# KiCad board version0.65.kicad_pcb
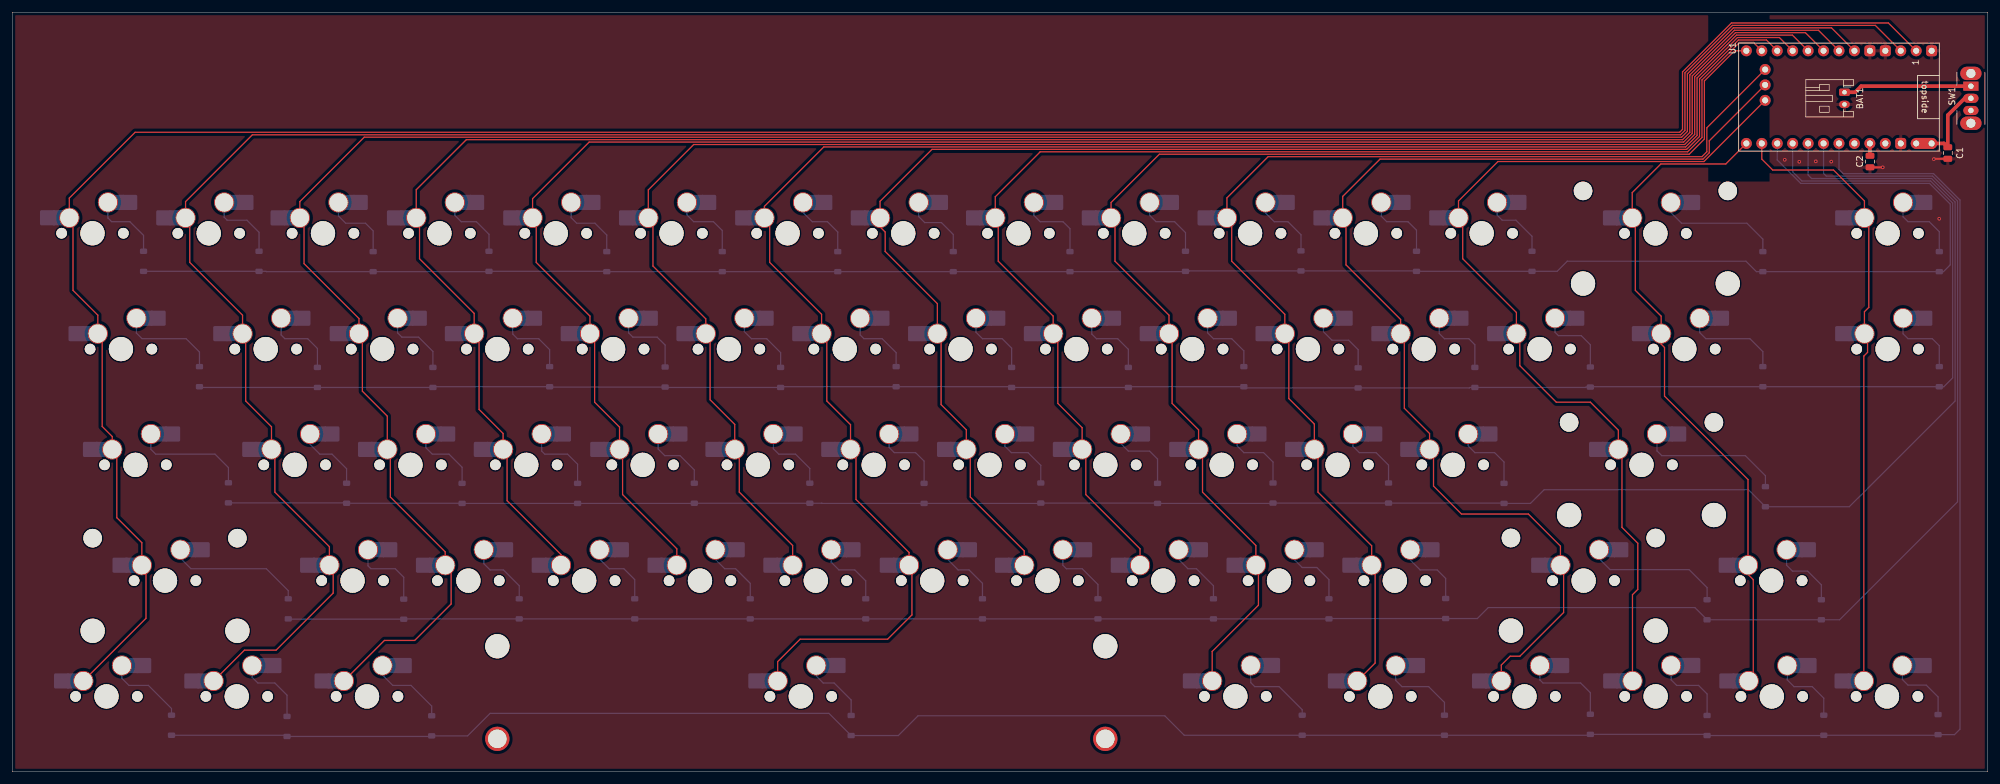
[diagram p0: board, top side]
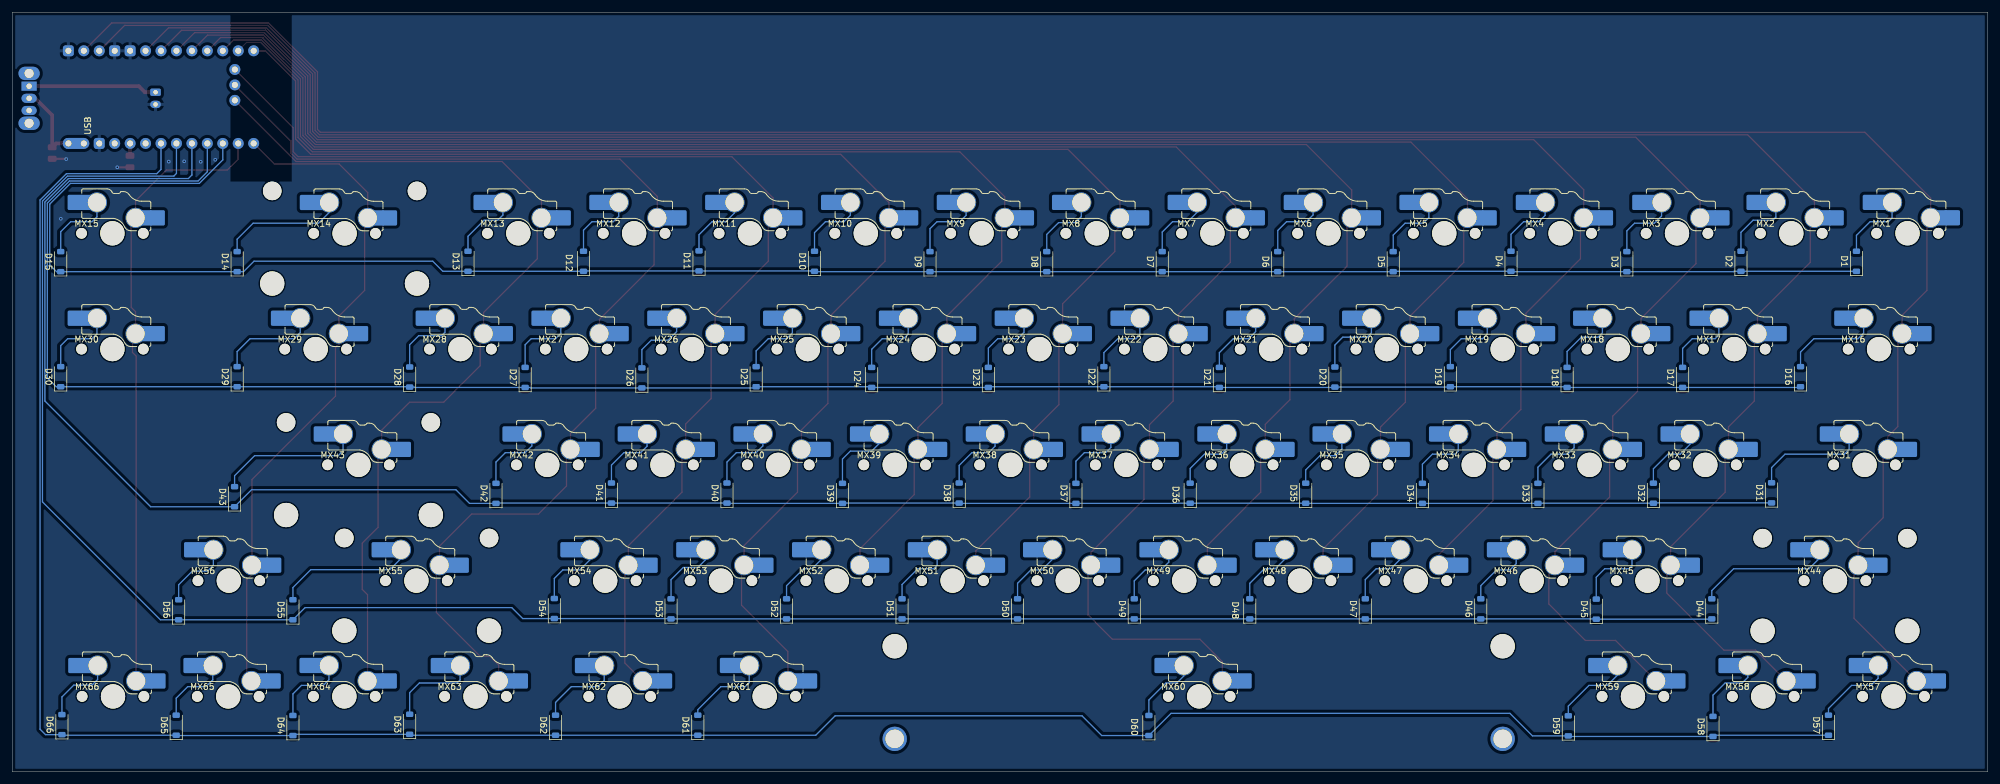
[diagram p1: board, bottom side, seen from below]

Outline 325 x 125 mm; copper layers: Top, Bottom. Coordinates in mm from the lower left corner of the outline.
Outline path: rectangle 0,125 325,0

## Placement (name value [footprint] x y rotation side)
BAT1  GND  [JST_PH_S2B-PH-K_1x02_P2.00mm_Horizontal]  301.41 111.82 270 top
C1  10uF  [C_0805_2012Metric]  318.41 101.82 90 top
C2  100nF  [C_0805_2012Metric]  305.61 100.42 90 top
D1  1N4148W  [D_SOD-123]  21.61 84.01 90 bottom
D2  1N4148W  [D_SOD-123]  40.61 84.01 90 bottom
D3  1N4148W  [D_SOD-123]  59.39 83.95 90 bottom
D4  1N4148W  [D_SOD-123]  78.44 84.01 90 bottom
D5  1N4148W  [D_SOD-123]  97.81 83.95 90 bottom
D6  1N4148W  [D_SOD-123]  116.81 83.95 90 bottom
D7  1N4148W  [D_SOD-123]  135.81 83.95 90 bottom
D8  1N4148W  [D_SOD-123]  154.81 83.95 90 bottom
D9  1N4148W  [D_SOD-123]  174.01 83.95 90 bottom
D10  1N4148W  [D_SOD-123]  193.01 84.01 90 bottom
D11  1N4148W  [D_SOD-123]  212.01 84.07 90 bottom
D12  1N4148W  [D_SOD-123]  231.01 84.01 90 bottom
D13  1N4148W  [D_SOD-123]  250.01 84.01 90 bottom
D14  1N4148W  [D_SOD-123]  287.99 83.95 90 bottom
D15  1N4148W  [D_SOD-123]  317.01 83.95 90 bottom
D16  1N4148W  [D_SOD-123]  30.81 65.02 90 bottom
D17  1N4148W  [D_SOD-123]  50.21 64.9 90 bottom
D18  1N4148W  [D_SOD-123]  69.21 64.9 90 bottom
D19  1N4148W  [D_SOD-123]  88.41 65.02 90 bottom
D20  1N4148W  [D_SOD-123]  107.41 64.96 90 bottom
D21  1N4148W  [D_SOD-123]  126.41 64.9 90 bottom
D22  1N4148W  [D_SOD-123]  145.41 65.02 90 bottom
D23  1N4148W  [D_SOD-123]  164.41 64.9 90 bottom
D24  1N4148W  [D_SOD-123]  183.61 64.9 90 bottom
D25  1N4148W  [D_SOD-123]  202.61 65.02 90 bottom
D26  1N4148W  [D_SOD-123]  221.41 64.82 90 bottom
D27  1N4148W  [D_SOD-123]  240.61 64.9 90 bottom
D28  1N4148W  [D_SOD-123]  259.61 64.96 90 bottom
D29  1N4148W  [D_SOD-123]  287.99 65.02 90 bottom
D30  1N4148W  [D_SOD-123]  317.01 65.02 90 bottom
D31  1N4148W  [D_SOD-123]  35.58 45.91 90 bottom
D32  1N4148W  [D_SOD-123]  55.01 45.85 90 bottom
D33  1N4148W  [D_SOD-123]  74.01 45.82 90 bottom
D34  1N4148W  [D_SOD-123]  93.01 45.82 90 bottom
D35  1N4148W  [D_SOD-123]  112.21 45.85 90 bottom
D36  1N4148W  [D_SOD-123]  131.21 45.85 90 bottom
D37  1N4148W  [D_SOD-123]  150.01 45.82 90 bottom
D38  1N4148W  [D_SOD-123]  169.21 45.87 90 bottom
D39  1N4148W  [D_SOD-123]  188.41 45.82 90 bottom
D40  1N4148W  [D_SOD-123]  207.41 45.87 90 bottom
D41  1N4148W  [D_SOD-123]  226.41 45.87 90 bottom
D42  1N4148W  [D_SOD-123]  245.41 45.82 90 bottom
D43  1N4148W  [D_SOD-123]  288.41 45.27 90 bottom
D44  1N4148W  [D_SOD-123]  45.41 26.82 90 bottom
D45  1N4148W  [D_SOD-123]  64.41 26.77 90 bottom
D46  1N4148W  [D_SOD-123]  83.41 26.82 90 bottom
D47  1N4148W  [D_SOD-123]  102.41 26.82 90 bottom
D48  1N4148W  [D_SOD-123]  121.41 26.82 90 bottom
D49  1N4148W  [D_SOD-123]  140.41 26.82 90 bottom
D50  1N4148W  [D_SOD-123]  159.61 26.82 90 bottom
D51  1N4148W  [D_SOD-123]  178.61 26.82 90 bottom
D52  1N4148W  [D_SOD-123]  197.61 26.82 90 bottom
D53  1N4148W  [D_SOD-123]  216.61 26.82 90 bottom
D54  1N4148W  [D_SOD-123]  235.81 26.87 90 bottom
D55  1N4148W  [D_SOD-123]  278.81 26.67 90 bottom
D56  1N4148W  [D_SOD-123]  297.61 26.67 90 bottom
D57  1N4148W  [D_SOD-123]  26.21 7.67 90 bottom
D58  1N4148W  [D_SOD-123]  45.21 7.47 90 bottom
D59  1N4148W  [D_SOD-123]  69.01 7.57 90 bottom
D60  1N4148W  [D_SOD-123]  138.01 7.62 90 bottom
D61  1N4148W  [D_SOD-123]  212.21 7.67 90 bottom
D62  1N4148W  [D_SOD-123]  235.61 7.67 90 bottom
D63  1N4148W  [D_SOD-123]  259.61 7.82 90 bottom
D64  1N4148W  [D_SOD-123]  278.81 7.62 90 bottom
D65  1N4148W  [D_SOD-123]  298.01 7.67 90 bottom
D66  1N4148W  [D_SOD-123]  316.81 7.77 90 bottom
MX1  MX_SW_HS  [SW_MX_HS_KS-2P02B01-01_1u]  13.21 88.62 180 bottom
MX2  MX_SW_HS  [SW_MX_HS_KS-2P02B01-01_1u]  32.33 88.61 180 bottom
MX3  MX_SW_HS  [SW_MX_HS_KS-2P02B01-01_1u]  51.13 88.61 180 bottom
MX4  MX_SW_HS  [SW_MX_HS_KS-2P02B01-01_1u]  70.28 88.61 180 bottom
MX5  MX_SW_HS  [SW_MX_HS_KS-2P02B01-01_1u]  89.42 88.61 180 bottom
MX6  MX_SW_HS  [SW_MX_HS_KS-2P02B01-01_1u]  108.46 88.61 180 bottom
MX7  MX_SW_HS  [SW_MX_HS_KS-2P02B01-01_1u]  127.56 88.62 180 bottom
MX8  MX_SW_HS  [SW_MX_HS_KS-2P02B01-01_1u]  146.59 88.61 180 bottom
MX9  MX_SW_HS  [SW_MX_HS_KS-2P02B01-01_1u]  165.53 88.61 180 bottom
MX10  MX_SW_HS  [SW_MX_HS_KS-2P02B01-01_1u]  184.58 88.61 180 bottom
MX11  MX_SW_HS  [SW_MX_HS_KS-2P02B01-01_1u]  203.63 88.61 180 bottom
MX12  MX_SW_HS  [SW_MX_HS_KS-2P02B01-01_1u]  222.68 88.61 180 bottom
MX13  MX_SW_HS  [SW_MX_HS_KS-2P02B01-01_1u]  241.73 88.61 180 bottom
MX14  MX_SW_HS  [SW_MX_HS_KS-2P02B01-01_1u]  270.31 88.6 180 bottom
MX15  MX_SW_HS  [SW_MX_HS_KS-2P02B01-01_1u]  308.51 88.61 180 bottom
MX16  MX_SW_HS  [SW_MX_HS_KS-2P02B01-01_1.5u]  17.9 69.56 180 bottom
MX17  MX_SW_HS  [SW_MX_HS_KS-2P02B01-01_1u]  41.71 69.56 180 bottom
MX18  MX_SW_HS  [SW_MX_HS_KS-2P02B01-01_1u]  60.86 69.56 180 bottom
MX19  MX_SW_HS  [SW_MX_HS_KS-2P02B01-01_1u]  79.81 69.56 180 bottom
MX20  MX_SW_HS  [SW_MX_HS_KS-2P02B01-01_1u]  98.86 69.56 180 bottom
MX21  MX_SW_HS  [SW_MX_HS_KS-2P02B01-01_1u]  117.91 69.56 180 bottom
MX22  MX_SW_HS  [SW_MX_HS_KS-2P02B01-01_1u]  136.96 69.56 180 bottom
MX23  MX_SW_HS  [SW_MX_HS_KS-2P02B01-01_1u]  156.01 69.56 180 bottom
MX24  MX_SW_HS  [SW_MX_HS_KS-2P02B01-01_1u]  175.06 69.56 180 bottom
MX25  MX_SW_HS  [SW_MX_HS_KS-2P02B01-01_1u]  194.11 69.56 180 bottom
MX26  MX_SW_HS  [SW_MX_HS_KS-2P02B01-01_1u]  213.16 69.56 180 bottom
MX27  MX_SW_HS  [SW_MX_HS_KS-2P02B01-01_1u]  232.21 69.56 180 bottom
MX28  MX_SW_HS  [SW_MX_HS_KS-2P02B01-01_1u]  251.26 69.56 180 bottom
MX29  MX_SW_HS  [SW_MX_HS_KS-2P02B01-01_1.5u]  275.07 69.56 180 bottom
MX30  MX_SW_HS  [SW_MX_HS_KS-2P02B01-01_1u]  308.51 69.56 180 bottom
MX31  MX_SW_HS  [SW_MX_HS_KS-2P02B01-01_1.75u]  20.28 50.51 180 bottom
MX32  MX_SW_HS  [SW_MX_HS_KS-2P02B01-01_1u]  46.47 50.51 180 bottom
MX33  MX_SW_HS  [SW_MX_HS_KS-2P02B01-01_1u]  65.52 50.51 180 bottom
MX34  MX_SW_HS  [SW_MX_HS_KS-2P02B01-01_1u]  84.57 50.51 180 bottom
MX35  MX_SW_HS  [SW_MX_HS_KS-2P02B01-01_1u]  103.72 50.51 180 bottom
MX36  MX_SW_HS  [SW_MX_HS_KS-2P02B01-01_1u]  122.67 50.51 180 bottom
MX37  MX_SW_HS  [SW_MX_HS_KS-2P02B01-01_1u]  141.72 50.51 180 bottom
MX38  MX_SW_HS  [SW_MX_HS_KS-2P02B01-01_1u]  160.77 50.51 180 bottom
MX39  MX_SW_HS  [SW_MX_HS_KS-2P02B01-01_1u]  179.82 50.51 180 bottom
MX40  MX_SW_HS  [SW_MX_HS_KS-2P02B01-01_1u]  198.97 50.51 180 bottom
MX41  MX_SW_HS  [SW_MX_HS_KS-2P02B01-01_1u]  218.02 50.51 180 bottom
MX42  MX_SW_HS  [SW_MX_HS_KS-2P02B01-01_1u]  236.97 50.51 180 bottom
MX43  MX_SW_HS  [SW_MX_HS_KS-2P02B01-01_1u]  268.03 50.51 180 bottom
MX44  MX_SW_HS  [SW_MX_HS_KS-2P02B01-01_1u]  25.14 31.46 180 bottom
MX45  MX_SW_HS  [SW_MX_HS_KS-2P02B01-01_1u]  56 31.46 180 bottom
MX46  MX_SW_HS  [SW_MX_HS_KS-2P02B01-01_1u]  75.05 31.46 180 bottom
MX47  MX_SW_HS  [SW_MX_HS_KS-2P02B01-01_1u]  94.1 31.46 180 bottom
MX48  MX_SW_HS  [SW_MX_HS_KS-2P02B01-01_1u]  113.15 31.46 180 bottom
MX49  MX_SW_HS  [SW_MX_HS_KS-2P02B01-01_1u]  132.2 31.46 180 bottom
MX50  MX_SW_HS  [SW_MX_HS_KS-2P02B01-01_1u]  151.35 31.46 180 bottom
MX51  MX_SW_HS  [SW_MX_HS_KS-2P02B01-01_1u]  170.3 31.46 180 bottom
MX52  MX_SW_HS  [SW_MX_HS_KS-2P02B01-01_1u]  189.35 31.46 180 bottom
MX53  MX_SW_HS  [SW_MX_HS_KS-2P02B01-01_1u]  208.4 31.46 180 bottom
MX54  MX_SW_HS  [SW_MX_HS_KS-2P02B01-01_1u]  227.45 31.46 180 bottom
MX55  MX_SW_HS  [SW_MX_HS_KS-2P02B01-01_1u]  258.5 31.46 180 bottom
MX56  MX_SW_HS  [SW_MX_HS_KS-2P02B01-01_1u]  289.36 31.46 180 bottom
MX57  MX_SW_HS  [SW_MX_HS_KS-2P02B01-01_1.25u]  15.52 12.41 180 bottom
MX58  MX_SW_HS  [SW_MX_HS_KS-2P02B01-01_1u]  36.95 12.41 180 bottom
MX59  MX_SW_HS  [SW_MX_HS_KS-2P02B01-01_1.25u]  58.38 12.41 180 bottom
MX60  MX_SW_HS  [SW_MX_HS_KS-2P02B01-01_1u]  129.73 12.42 180 bottom
MX61  MX_SW_HS  [SW_MX_HS_KS-2P02B01-01_1.25u]  201.21 12.42 180 bottom
MX62  MX_SW_HS  [SW_MX_HS_KS-2P02B01-01_1.25u]  225.07 12.41 180 bottom
MX63  MX_SW_HS  [SW_MX_HS_KS-2P02B01-01_1.25u]  248.78 12.41 180 bottom
MX64  MX_SW_HS  [SW_MX_HS_KS-2P02B01-01_1u]  270.35 12.42 180 bottom
MX65  MX_SW_HS  [SW_MX_HS_KS-2P02B01-01_1u]  289.46 12.41 180 bottom
MX66  MX_SW_HS  [SW_MX_HS_KS-2P02B01-01_1u]  308.41 12.41 180 bottom
S1  Space  [STAB_MX_P_6.25u]  129.82 12.41 0 bottom
S2  Backspace  [STAB_MX_2u]  270.31 88.6 0 top
S3  Enter  [STAB_MX_2.25u]  268.03 50.51 0 top
S4  Shift  [STAB_MX_2.25u]  25.14 31.46 0 top
S5  Shift  [STAB_MX_2.25u]  258.45 31.49 0 top
SW1  SW_SPDT  [SW_Slide_SPDT_Angled_CK_OS102011MA1Q]  322.21 112.82 270 top
U1  SuperMini nRF52840  [SuperMini_nRF52840_AH_USBup]  299.24 111.02 270 top

## Library data of the parts
BAT1 = -: Description: Generic connector, single row, 01x02, script generated; KiLib_Generator: connector/JST; ki_fp_filters: Connector*:*_1x??_*
C1 C2 = -: Description: Unpolarized capacitor; KiLib_Generator: SMD_2terminal_chip_molded; ki_fp_filters: C_*
D1-D66 = -: Datasheet: https://www.vishay.com/docs/85748/1n4148w.pdf; Description: 75V 0.15A Fast Switching Diode, SOD-123; Sim.Device: D; Sim.Pins: 1=K 2=A; ki_fp_filters: D*SOD?123*
MX1-MX66 = -: Description: Push button switch, normally open, two pins, 45° tilted, Gateron KS-2P02B01-01 for Cherry MX style switches
S1-S5 = -: Description: Cherry MX-style stabilizer
SW1 = -: Description: Switch, single pole double throw
U1 = -: Datasheet: https://wiki.icbbuy.com/doku.php?id=developmentboard:nrf52840; Description: Symbol for an nicekeyboards nice!nano

## Footprints (pads in the part's own frame, mm; a bottom-side part is the same pattern mirrored in y, then rotated)
C_0805_2012Metric
  rrect 1x1.45 smd: 1(-0.95,0) 2(0.95,0)
D_SOD-123
  rrect 0.9x1.2 smd: 1(-1.65,0) 2(1.65,0)
JST_PH_S2B-PH-K_1x02_P2.00mm_Horizontal
  rrect 1.2x1.75 hole 0.75: 1(0,0)
  oval 1.2x1.75 hole 0.75: 2(2,0)
STAB_MX_2.25u
  round 3.048 hole 3.048 unplated: (-11.906,6.985) (11.906,6.985)
  round 3.988 hole 3.988 unplated: (-11.906,-8.255) (11.906,-8.255)
STAB_MX_2u
  round 3.048 hole 3.048 unplated: (-11.906,6.985) (11.906,6.985)
  round 3.988 hole 3.988 unplated: (-11.906,-8.255) (11.906,-8.255)
STAB_MX_P_6.25u
  round 3.988 hole 3.988 unplated: (-50.006,-8.255) (50.006,-8.255)
  round 4 hole 3.048: (-50.006,6.985) (50.006,6.985)
SuperMini_nRF52840_AH_USBup
  round 1.8 hole 1: 1(-7.62,13.97) 2(-7.62,11.43) 5(-7.62,3.81) 6(-7.62,1.27) 7(-7.62,-1.27) 8(-7.62,-3.81) 9(-7.62,-6.35) 10(-7.62,-8.89) 11(-7.62,-11.43) 12(-7.62,-13.97) 15(7.62,8.89) 16(7.62,6.35) 17(7.62,3.81) 18(7.62,1.27) 19(7.62,-1.27) 20(7.62,-3.81) 21(7.62,-6.35) 22(7.62,-8.89) 23(7.62,-11.43) 24(7.62,-13.97) 25(-4.547,-10.876) 26(-2.007,-10.876) 27(0.533,-10.876) 29(7.62,16.51)
  rrect 1.8x1.8 hole 1: 3(-7.62,8.89) 4(-7.62,6.35) 14(7.62,11.43) 28(-7.62,16.51)
  oval 1.8x4.34 hole 1: 13(7.62,13.97)
SW_MX_HS_KS-2P02B01-01_1.5u
  round 1.75 hole 1.75 unplated: (-5.08,0) (5.08,0)
  round 3.988 hole 3.988 unplated: (0,0)
  round 3.3 hole 3: 1(3.81,2.54) 2(-2.54,5.08)
  rect 1.65x2.5 smd: 1(5.635,2.54) 2(-4.34,5.08)
  rrect 2.55x2.5 smd: 1(7.36,2.54) 2(-6.09,5.08)
SW_MX_HS_KS-2P02B01-01_1.25u
  round 1.75 hole 1.75 unplated: (-5.08,0) (5.08,0)
  round 3.988 hole 3.988 unplated: (0,0)
  round 3.3 hole 3: 1(3.81,2.54) 2(-2.54,5.08)
  rect 1.65x2.5 smd: 1(5.635,2.54) 2(-4.34,5.08)
  rrect 2.55x2.5 smd: 1(7.36,2.54) 2(-6.09,5.08)
SW_MX_HS_KS-2P02B01-01_1.75u
  round 1.75 hole 1.75 unplated: (-5.08,0) (5.08,0)
  round 3.988 hole 3.988 unplated: (0,0)
  round 3.3 hole 3: 1(3.81,2.54) 2(-2.54,5.08)
  rect 1.65x2.5 smd: 1(5.635,2.54) 2(-4.34,5.08)
  rrect 2.55x2.5 smd: 1(7.36,2.54) 2(-6.09,5.08)
SW_MX_HS_KS-2P02B01-01_1u
  round 1.75 hole 1.75 unplated: (-5.08,0) (5.08,0)
  round 3.988 hole 3.988 unplated: (0,0)
  round 3.3 hole 3: 1(3.81,2.54) 2(-2.54,5.08)
  rect 1.65x2.5 smd: 1(5.635,2.54) 2(-4.34,5.08)
  rrect 2.55x2.5 smd: 1(7.36,2.54) 2(-6.09,5.08)
SW_Slide_SPDT_Angled_CK_OS102011MA1Q
  oval 2.2x3.5 hole 1.5: (-2.1,0) (6.1,0)
  rect 1.5x2.5 hole 0.9: 1(0,0)
  oval 1.5x2.5 hole 0.9: 2(2,0) 3(4,0)

## Nets
/VBAT_SW: C1.2 SW1.2 U1.13 U1.29
GND: BAT1.2 C1.1 C2.1 U1.3 U1.4 U1.14 U1.28
+BATT: BAT1.1 SW1.1
COL0: MX1.1 MX16.1 MX31.1 MX44.1 MX57.1 U1.1
COL1: MX2.1 MX17.1 MX32.1 MX45.1 MX58.1 U1.2
COL2: MX3.1 MX18.1 MX33.1 MX46.1 MX59.1 U1.5
COL3: MX4.1 MX19.1 MX34.1 MX47.1 U1.6
COL4: MX5.1 MX20.1 MX35.1 MX48.1 U1.7
COL5: MX6.1 MX21.1 MX36.1 MX49.1 U1.8
COL6: MX7.1 MX22.1 MX37.1 MX50.1 MX60.1 U1.9
COL7: MX8.1 MX23.1 MX38.1 MX51.1 U1.10
COL8: MX9.1 MX24.1 MX39.1 MX52.1 U1.11
COL9: MX10.1 MX25.1 MX40.1 MX53.1 MX61.1 U1.12
COL10: MX11.1 MX26.1 MX41.1 MX54.1 MX62.1 U1.25
COL11: MX12.1 MX27.1 MX42.1 MX55.1 MX63.1 U1.26
COL12: MX13.1 MX28.1 MX43.1 MX64.1 U1.27
COL13: MX14.1 MX29.1 MX56.1 MX65.1 U1.24
COL14: MX15.1 MX30.1 MX66.1 U1.23
ROW0: D1.1 D2.1 D3.1 D4.1 D5.1 D6.1 D7.1 D8.1 D9.1 D10.1 D11.1 D12.1 D13.1 D14.1 D15.1 U1.22
ROW1: D16.1 D17.1 D18.1 D19.1 D20.1 D21.1 D22.1 D23.1 D24.1 D25.1 D26.1 D27.1 D28.1 D29.1 D30.1 U1.21
ROW2: D31.1 D32.1 D33.1 D34.1 D35.1 D36.1 D37.1 D38.1 D39.1 D40.1 D41.1 D42.1 D43.1 U1.20
ROW3: D44.1 D45.1 D46.1 D47.1 D48.1 D49.1 D50.1 D51.1 D52.1 D53.1 D54.1 D55.1 D56.1 U1.19
ROW4: D57.1 D58.1 D59.1 D60.1 D61.1 D62.1 D63.1 D64.1 D65.1 D66.1 U1.18
Net-(D1-A): D1.2 MX1.2
Net-(D2-A): D2.2 MX2.2
Net-(D3-A): D3.2 MX3.2
Net-(D4-A): D4.2 MX4.2
Net-(D5-A): D5.2 MX5.2
Net-(D6-A): D6.2 MX6.2
Net-(D7-A): D7.2 MX7.2
Net-(D8-A): D8.2 MX8.2
Net-(D9-A): D9.2 MX9.2
Net-(D10-A): D10.2 MX10.2
Net-(D11-A): D11.2 MX11.2
Net-(D12-A): D12.2 MX12.2
Net-(D13-A): D13.2 MX13.2
Net-(D14-A): D14.2 MX14.2
Net-(D15-A): D15.2 MX15.2
Net-(D16-A): D16.2 MX16.2
Net-(D17-A): D17.2 MX17.2
Net-(D18-A): D18.2 MX18.2
Net-(D19-A): D19.2 MX19.2
Net-(D20-A): D20.2 MX20.2
Net-(D21-A): D21.2 MX21.2
Net-(D22-A): D22.2 MX22.2
Net-(D23-A): D23.2 MX23.2
Net-(D24-A): D24.2 MX24.2
Net-(D25-A): D25.2 MX25.2
Net-(D26-A): D26.2 MX26.2
Net-(D27-A): D27.2 MX27.2
Net-(D28-A): D28.2 MX28.2
Net-(D29-A): D29.2 MX29.2
Net-(D30-A): D30.2 MX30.2
Net-(D31-A): D31.2 MX31.2
Net-(D32-A): D32.2 MX32.2
Net-(D33-A): D33.2 MX33.2
Net-(D34-A): D34.2 MX34.2
Net-(D35-A): D35.2 MX35.2
Net-(D36-A): D36.2 MX36.2
Net-(D37-A): D37.2 MX37.2
Net-(D38-A): D38.2 MX38.2
Net-(D39-A): D39.2 MX39.2
Net-(D40-A): D40.2 MX40.2
Net-(D41-A): D41.2 MX41.2
Net-(D42-A): D42.2 MX42.2
Net-(D43-A): D43.2 MX43.2
Net-(D44-A): D44.2 MX44.2
Net-(D45-A): D45.2 MX45.2
Net-(D46-A): D46.2 MX46.2
Net-(D47-A): D47.2 MX47.2
Net-(D48-A): D48.2 MX48.2
Net-(D49-A): D49.2 MX49.2
Net-(D50-A): D50.2 MX50.2
Net-(D51-A): D51.2 MX51.2
Net-(D52-A): D52.2 MX52.2
Net-(D53-A): D53.2 MX53.2
Net-(D54-A): D54.2 MX54.2
Net-(D55-A): D55.2 MX55.2
Net-(D56-A): D56.2 MX56.2
Net-(D57-A): D57.2 MX57.2
Net-(D58-A): D58.2 MX58.2
Net-(D59-A): D59.2 MX59.2
Net-(D60-A): D60.2 MX60.2
Net-(D61-A): D61.2 MX61.2
Net-(D62-A): D62.2 MX62.2
Net-(D63-A): D63.2 MX63.2
Net-(D64-A): D64.2 MX64.2
Net-(D65-A): D65.2 MX65.2
Net-(D66-A): D66.2 MX66.2
Net-(U1-3V3): C2.2 U1.16

Pads without a net: SW1 3; U1 15 17

## Via types
v1: diameter 0.6, hole 0.3, Top to Bottom, 7 vias

## Routing (per net, layer and track width the routed paths; a pad name or vN(x,y) marks a point on that pad's centre or on a via; arc(x,y) is an arc through that point)
/VBAT_SW: length 15.7
  Top w0.6: U1.13 U1.29 317.78,103.4 C1.2 318.41,108.04 321.19,110.82 SW1.2
GND: length 4.4
  Top w0.2: 316.16,100.87 v1(316.11,100.82)
  Top w0.35: C1.1 316.16,100.87 ; C2.1 v1(307.71,99.47)
  vias: v1(291.59,100.71) v1(293.98,100.38) v1(296.7,100.46) v1(299.24,100.4) v1(316.99,91.01)
+BATT: length 21.2
  Top w0.6: SW1.1 304.16,112.82 303.16,111.82 BAT1.1
COL0: length 412.1
  Top w0.2: U1.1 308.63,123.22 282.82,123.22 274.77,115.18 274.77,105.71 274.3,105.23 20.23,105.23 9.4,94.41 MX1.1 10.01,90.55 10.01,79.22 14.09,75.15 MX16.1 14.81,71.38 14.81,56.82 16.47,55.17 MX31.1 17.21,52.31 17.21,41.82 21.33,37.7 MX44.1 22.01,33.32 22.01,25.26 MX57.1
COL1: length 401.6
  Top w0.2: U1.2 306.49,122.82 282.98,122.82 275.17,115.01 275.17,105.54 274.45,104.82 39.51,104.82 28.52,93.83 MX2.1 29.21,90.46 29.21,83.82 37.9,75.14 MX17.1 38.41,71.59 38.41,61.02 42.66,56.77 MX32.1 43.21,52.5 43.21,46.02 52.19,37.05 MX45.1 52.81,33.38 52.81,29.42 43.41,20.02 38.21,20.02 MX58.1
COL2: length 374.1
  Top w0.2: U1.5 299.27,122.42 283.15,122.42 275.57,114.85 275.57,105.38 274.62,104.42 57.91,104.42 47.32,93.83 MX3.1 48.01,90.46 48.01,83.62 57.05,74.58 MX18.1 57.61,71.54 57.61,62.62 61.71,58.52 MX33.1 62.21,52.55 62.21,45.22 71.24,36.2 MX46.1 72.21,33.03 72.21,27.62 66.21,21.62 61.24,21.62 MX59.1
COL3: length 323.5
  Top w0.2: U1.6 297.13,122.02 283.32,122.02 275.97,114.68 275.97,105.21 274.78,104.02 74.71,104.02 66.47,95.78 MX4.1 67.01,90.61 67.01,84.42 76,75.44 MX19.1 76.81,71.29 76.81,59.62 80.76,55.67 MX34.1 81.41,52.4 81.41,44.62 90.29,35.75 MX47.1
COL4: length 300.6
  Top w0.2: MX48.1 109.34,36.7 100.41,45.62 100.41,52.55 MX35.1 99.91,56.72 95.81,60.82 95.81,71.34 MX20.1 95.05,74.99 86.21,83.82 86.21,90.55 MX5.1 85.61,94.32 94.91,103.62 274.95,103.62 276.37,105.05 276.37,114.51 283.48,121.62 294.99,121.62 U1.7
COL5: length 279.5
  Top w0.2: MX49.1 128.39,37.25 119.61,46.02 119.61,52.3 MX36.1 118.86,57.17 114.81,61.22 114.81,71.39 MX21.1 114.1,74.54 105.41,83.22 105.41,90.39 MX6.1 104.65,95.76 112.11,103.22 275.12,103.22 276.77,104.88 276.77,114.35 283.65,121.22 292.85,121.22 U1.8
COL6: length 292.8
  Top w0.2: MX60.1 125.92,18.13 129.61,21.82 144.01,21.82 148.01,25.82 148.01,33.53 MX50.1 147.54,36.1 138.81,44.82 138.81,52.15 MX37.1 137.91,57.12 134.01,61.02 134.01,71.24 MX22.1 133.15,75.29 124.61,83.82 124.61,90.29 MX7.1 123.75,93.06 133.51,102.82 275.28,102.82 277.17,104.71 277.17,114.18 283.81,120.82 290.71,120.82 U1.9
COL7: length 234.6
  Top w0.2: U1.10 288.57,120.42 283.98,120.42 277.57,114.01 277.57,104.55 275.45,102.42 151.31,102.42 142.78,93.88 MX8.1 142.78,89.66 143.61,88.82 143.61,85.62 152.2,77.04 MX23.1 152.81,71.49 152.81,60.42 156.96,56.27 MX38.1 157.61,52.4 157.61,45.22 166.49,36.35 MX51.1
COL8: length 213.2
  Top w0.2: U1.11 286.43,120.02 284.15,120.02 277.97,113.85 277.97,104.38 275.61,102.02 169.11,102.02 161.72,94.63 MX9.1 162.21,90.66 162.21,84.02 171.25,74.99 MX24.1 172.01,71.34 172.01,60.62 176.01,56.62 176.01,56.62 MX39.1 176.61,52.45 176.61,45.62 185.54,36.7 MX52.1
COL9: length 212.4
  Top w0.2: U1.12 283.33,118.64 278.37,113.68 278.37,104.12 275.87,101.62 188.71,101.62 180.77,93.68 MX10.1 181.41,90.51 181.41,84.02 190.3,75.14 MX25.1 190.81,71.59 190.81,60.62 195.16,56.27 MX40.1 195.81,52.4 195.81,46.02 204.59,37.25 MX53.1 205.01,33.58 205.01,27.42 197.4,19.81 MX61.1
COL10: length 190.4
  Top w0.2: U1.25 278.77,105.98 278.77,102.03 277.97,101.22 206.61,101.22 199.82,94.43 MX11.1 200.61,90.36 200.61,84.02 209.35,75.29 MX26.1 210.01,71.44 210.01,61.42 214.21,57.22 MX41.1 214.81,52.45 214.81,46.02 223.64,37.2 MX54.1 224.21,33.43 224.21,17.91 MX62.1
COL11: length 184.7
  Top w0.2: MX63.1 244.97,17.58 246.41,19.02 248.01,19.02 255.21,26.22 255.21,33.48 MX55.1 254.69,37.14 249.41,42.42 238.41,42.42 233.81,47.02 233.81,52.4 MX42.1 233.16,55.67 229.01,59.82 229.01,71.49 MX27.1 228.4,74.44 219.41,83.42 219.41,90.61 MX12.1 218.87,94.68 225.01,100.82 278.13,100.82 279.17,101.86 279.17,103.84 U1.26
COL12: length 152.1
  Top w0.2: MX64.1 266.54,29.15 267.41,30.02 267.41,37.62 264.81,40.22 264.81,52.46 MX43.1 264.22,56.22 259.61,60.82 254.01,60.82 248.01,66.82 248.01,71.54 MX28.1 247.45,75.59 238.61,84.42 238.61,90.46 MX13.1 237.92,93.93 244.41,100.42 278.3,100.42 U1.27
COL13: length 111
  Top w0.2: U1.24 281.89,100.02 271.21,100.02 266.5,95.31 MX14.1 267.01,90.63 267.01,79.22 271.26,74.97 MX29.1 271.26,70.37 271.81,69.82 271.81,61.82 285.55,48.09 MX56.1 285.55,32.49 286.41,31.62 286.41,15.72 MX65.1
COL14: length 102.4
  Top w0.2: U1.23 287.81,100.82 289.61,99.02 299.61,99.02 304.7,93.93 MX15.1 305.41,90.44 305.41,76.42 304.7,75.71 MX30.1 305.21,71.59 305.21,69.02 304.6,68.41 MX66.1
ROW0: length 343.4
  Bottom w0.2: D1.1 D2.1 41.75,82.36 41.81,82.3 78.38,82.3 D4.1 97.75,82.36 97.81,82.3 192.95,82.3 D10.1 193.55,82.36 193.61,82.42 D11.1 230.95,82.42 D12.1 D13.1 254.15,82.36 255.81,84.02 285.21,84.02 286.94,82.3 317.69,82.3 318.81,83.42 318.81,93.42 315.41,96.82 294.21,96.82 290.35,100.68 U1.22
ROW1: length 351.4
  Bottom w0.2: D16.1 30.94,63.25 D17.1 D18.1 69.34,63.37 D19.1 88.48,63.31 D20.1 107.48,63.25 D21.1 126.54,63.37 D22.1 164.29,63.37 D23.1 D24.1 183.74,63.37 D25.1 202.81,63.17 D26.1 239.71,63.17 239.79,63.25 D27.1 258.84,63.25 258.9,63.31 D28.1 259.68,63.37 D29.1 D30.1 317.76,63.37 319.21,64.82 319.21,93.59 315.58,97.22 294.41,97.22 292.89,98.74 U1.21
ROW2: length 357.4
  Bottom w0.2: U1.20 295.43,98.2 296.01,97.62 315.74,97.62 319.61,93.75 319.61,61.02 302.21,43.62 D43.1 285.61,46.42 252.01,46.42 249.76,44.17 D42.1 245.36,44.22 D41.1 D40.1 207.36,44.17 D39.1 188.36,44.22 D38.1 169.16,44.17 D37.1 133.21,44.17 133.19,44.2 112.21,44.2 112.19,44.17 D34.1 D33.1 73.99,44.2 55.01,44.2 54.95,44.26 D31.1
ROW3: length 362.6
  Bottom w0.2: D44.1 45.46,25.12 D45.1 64.46,25.17 D46.1 D47.1 D48.1 D49.1 D50.1 D51.1 D52.1 D53.1 216.66,25.22 D54.1 241.01,25.22 242.81,27.02 276.81,27.02 D55.1 D56.1 300.61,25.02 320.01,44.42 320.01,93.92 315.91,98.02 298.41,98.02 297.97,98.46 U1.19
ROW4: length 413.9
  Bottom w0.2: U1.18 300.51,99.12 301.21,98.42 316.08,98.42 320.41,94.08 320.41,7.02 319.51,6.12 D66.1 316.71,6.02 D65.1 297.96,5.97 D64.1 278.61,6.17 D63.1 259.46,6.02 D62.1 D61.1 192.81,6.02 189.61,9.22 149.01,9.22 145.76,5.97 D60.1 134.36,9.62 78.61,9.62 74.91,5.92 D59.1 68.91,5.82 D58.1 45.01,6.02 D57.1
Net-(D1-A): length 12.2
  Bottom w0.2: MX1.2 15.75,91.13 16.36,90.52 19.36,90.52 21.61,88.27 D1.2
Net-(D2-A): length 12.3
  Bottom w0.2: D2.2 40.61,88.77 38.61,90.77 35.36,90.77 34.87,91.26 MX2.2
Net-(D3-A): length 12.4
  Bottom w0.2: D3.2 59.39,89 58.11,90.27 54.86,90.27 53.67,91.46 MX3.2
Net-(D4-A): length 11.8
  Bottom w0.2: MX4.2 72.82,91.56 73.86,90.52 76.36,90.52 78.44,88.45 D4.2
Net-(D5-A): length 12.3
  Bottom w0.2: D5.2 97.81,88.32 95.86,90.27 92.86,90.27 91.96,91.18 MX5.2
Net-(D6-A): length 12.4
  Bottom w0.2: D6.2 116.81,89.07 115.36,90.52 112.11,90.52 111,91.64 MX6.2
Net-(D7-A): length 11.9
  Bottom w0.2: MX7.2 130.1,92.04 131.61,90.52 134.11,90.52 135.81,88.82 D7.2
Net-(D8-A): length 12.1
  Bottom w0.2: D8.2 154.81,88.42 152.86,90.37 150.11,90.37 149.13,91.36 MX8.2
Net-(D9-A): length 12.8
  Bottom w0.2: D9.2 174.01,89.37 172.86,90.52 169.11,90.52 168.07,91.56 MX9.2
Net-(D10-A): length 12.3
  Bottom w0.2: D10.2 193.01,88.72 191.21,90.52 188.16,90.52 187.12,91.56 MX10.2
Net-(D11-A): length 11.7
  Bottom w0.2: MX11.2 206.17,91.96 207.61,90.52 209.86,90.52 212.01,88.37 D11.2
Net-(D12-A): length 12.5
  Bottom w0.2: D12.2 231.01,89.12 229.61,90.52 226.11,90.52 225.22,91.41 MX12.2
Net-(D13-A): length 11.7
  Bottom w0.2: MX13.2 244.27,91.61 245.11,90.77 247.36,90.77 250.01,88.12 D13.2
Net-(D14-A): length 20.7
  Bottom w0.2: D14.2 287.99,87.65 285.36,90.27 274.61,90.27 272.85,92.03 MX14.2
Net-(D15-A): length 12.6
  Bottom w0.2: D15.2 317.01,88.87 315.36,90.52 311.86,90.52 311.05,91.33 MX15.2
Net-(D16-A): length 16.5
  Bottom w0.2: D16.2 30.81,69.07 28.61,71.27 21.36,71.27 20.44,72.2 MX16.2
Net-(D17-A): length 12.8
  Bottom w0.2: MX17.2 44.25,71.89 44.86,71.27 48.61,71.27 50.21,69.67 D17.2
Net-(D18-A): length 12.1
  Bottom w0.2: D18.2 69.21,69.17 66.86,71.52 64.11,71.52 63.4,72.23 MX18.2
Net-(D19-A): length 12.5
  Bottom w0.2: MX19.2 82.35,72.04 83.11,71.27 86.61,71.27 88.41,69.47 D19.2
Net-(D20-A): length 12.9
  Bottom w0.2: MX20.2 101.4,72.24 102.11,71.52 106.11,71.52 107.41,70.22 D20.2
Net-(D21-A): length 12
  Bottom w0.2: MX21.2 120.45,72.44 121.61,71.27 124.11,71.27 126.41,68.97 D21.2
Net-(D22-A): length 12.2
  Bottom w0.2: MX22.2 139.5,71.89 140.11,71.27 143.11,71.27 145.41,68.97 D22.2
Net-(D23-A): length 12.4
  Bottom w0.2: D23.2 164.41,69.72 162.86,71.27 159.61,71.27 158.55,72.34 MX23.2
Net-(D24-A): length 12.6
  Bottom w0.2: D24.2 183.61,69.52 181.86,71.27 178.36,71.27 177.6,72.04 MX24.2
Net-(D25-A): length 12.2
  Bottom w0.2: MX25.2 196.65,72.24 197.61,71.27 200.61,71.27 202.61,69.27 D25.2
Net-(D26-A): length 12.1
  Bottom w0.2: D26.2 221.41,69.47 219.86,71.02 217.11,71.02 215.7,72.44 MX26.2
Net-(D27-A): length 12.9
  Bottom w0.2: MX27.2 234.75,72.14 235.61,71.27 239.61,71.27 240.61,70.27 D27.2
Net-(D28-A): length 12.6
  Bottom w0.2: D28.2 259.61,70.27 258.11,71.77 254.36,71.77 253.8,72.34 MX28.2
Net-(D29-A): length 16.5
  Bottom w0.2: MX29.2 277.61,72.27 278.61,71.27 285.86,71.27 287.99,69.15 D29.2
Net-(D30-A): length 12.8
  Bottom w0.2: D30.2 317.01,70.12 315.86,71.27 311.86,71.27 311.05,72.08 MX30.2
Net-(D31-A): length 19
  Bottom w0.2: 22.82,55.59 22.82,53.07 23.61,52.27 33.36,52.27 35.58,50.06 D31.2
Net-(D32-A): length 11.8
  Bottom w0.2: D32.2 55.01,49.87 52.61,52.27 50.61,52.27 49.01,53.87 MX32.2
Net-(D33-A): length 12.2
  Bottom w0.2: MX33.2 68.06,53.32 69.11,52.27 71.86,52.27 74.01,50.12 D33.2
Net-(D34-A): length 12.8
  Bottom w0.2: MX34.2 87.11,52.77 87.61,52.27 91.36,52.27 93.01,50.62 D34.2
Net-(D35-A): length 12
  Bottom w0.2: D35.2 112.21,49.67 109.86,52.02 107.36,52.02 106.26,53.12 MX35.2
Net-(D36-A): length 12.2
  Bottom w0.2: MX36.2 125.21,53.17 126.11,52.27 128.86,52.27 131.21,49.92 D36.2
Net-(D37-A): length 12.6
  Bottom w0.2: MX37.2 144.26,53.37 145.11,52.52 148.61,52.52 150.01,51.12 D37.2
Net-(D38-A): length 12.1
  Bottom w0.2: D38.2 169.21,50.42 167.11,52.52 164.36,52.52 163.31,53.57 MX38.2
Net-(D39-A): length 12.7
  Bottom w0.2: D39.2 188.41,51.47 187.11,52.77 183.61,52.77 182.36,54.02 MX39.2
Net-(D40-A): length 12.4
  Bottom w0.2: D40.2 207.41,50.97 205.86,52.52 202.61,52.52 201.51,53.62 MX40.2
Net-(D41-A): length 12.1
  Bottom w0.2: MX41.2 220.56,53.57 221.61,52.52 224.36,52.52 226.41,50.47 D41.2
Net-(D42-A): length 12.5
  Bottom w0.2: MX42.2 239.51,53.62 240.61,52.52 243.86,52.52 245.41,50.97 D42.2
Net-(D43-A): length 24.1
  Bottom w0.2: MX43.2 270.57,52.82 271.36,52.02 285.11,52.02 288.41,48.72 D43.2
Net-(D44-A): length 22.7
  Bottom w0.2: D44.2 45.41,29.82 41.81,33.42 29.41,33.42 27.68,35.15 MX44.2
Net-(D45-A): length 12.9
  Bottom w0.2: MX45.2 58.54,33.9 59.01,33.42 63.01,33.42 64.41,32.02 D45.2
Net-(D46-A): length 11.8
  Bottom w0.2: D46.2 83.41,30.62 80.81,33.22 78.61,33.22 77.59,34.25 MX46.2
Net-(D47-A): length 11.9
  Bottom w0.2: D47.2 102.41,31.62 100.61,33.42 98.21,33.42 96.64,35 MX47.2
Net-(D48-A): length 11.5
  Bottom w0.2: D48.2 121.41,31.02 119.01,33.42 117.21,33.42 115.69,34.95 MX48.2
Net-(D49-A): length 11.9
  Bottom w0.2: D49.2 140.41,31.42 138.61,33.22 136.01,33.22 134.74,34.5 MX49.2
Net-(D50-A): length 11.5
  Bottom w0.2: D50.2 159.61,31.02 157.41,33.22 155.61,33.22 153.89,34.95 MX50.2
Net-(D51-A): length 12
  Bottom w0.2: D51.2 178.61,30.82 176.01,33.42 173.41,33.42 172.84,34 MX51.2
Net-(D52-A): length 11.3
  Bottom w0.2: D52.2 197.61,30.62 194.81,33.42 193.41,33.42 191.89,34.95 MX52.2
Net-(D53-A): length 11.8
  Bottom w0.2: MX53.2 210.94,34.9 212.21,33.62 214.61,33.62 216.61,31.62 D53.2
Net-(D54-A): length 12.1
  Bottom w0.2: MX54.2 229.99,34.85 231.61,33.22 234.41,33.22 235.81,31.82 D54.2
Net-(D55-A): length 23.2
  Bottom w0.2: D55.2 278.81,30.32 275.86,33.27 262.86,33.27 261.04,35.09 MX55.2
Net-(D56-A): length 12.1
  Bottom w0.2: MX56.2 291.9,33.99 292.86,33.02 295.36,33.02 297.61,30.77 D56.2
Net-(D57-A): length 13.4
  Bottom w0.2: MX57.2 18.06,15.38 19.21,14.22 22.41,14.22 26.21,10.42 D57.2
Net-(D58-A): length 12.4
  Bottom w0.2: D58.2 45.21,12.62 43.21,14.62 40.41,14.62 39.49,15.55 MX58.2
Net-(D59-A): length 13.4
  Bottom w0.2: D59.2 69.01,10.82 65.61,14.22 62.61,14.22 60.92,15.92 MX59.2
Net-(D60-A): length 11.7
  Bottom w0.2: MX60.2 132.27,15.76 133.41,14.62 135.21,14.62 138.01,11.82 D60.2
Net-(D61-A): length 14
  Bottom w0.2: D61.2 212.21,10.22 208.41,14.02 204.41,14.02 203.75,14.68 MX61.2
Net-(D62-A): length 14.1
  Bottom w0.2: D62.2 235.61,11.42 233.01,14.02 228.61,14.02 227.61,15.03 MX62.2
Net-(D63-A): length 15.1
  Bottom w0.2: D63.2 259.61,13.02 258.01,14.62 251.81,14.62 251.32,15.12 MX63.2
Net-(D64-A): length 12.8
  Bottom w0.2: MX64.2 272.89,15.14 273.81,14.22 277.41,14.22 278.81,12.82 D64.2
Net-(D65-A): length 12.4
  Bottom w0.2: D65.2 298.01,12.12 296.11,14.02 293.11,14.02 292,15.13 MX65.2
Net-(D66-A): length 12.3
  Bottom w0.2: D66.2 316.81,12.32 314.86,14.27 311.86,14.27 310.95,15.19 MX66.2
Net-(U1-3V3): length 2
  Top w0.2: 305.59,101.39 C2.2
  Top w0.6: U1.16 305.59,101.39

## Copper pours and planes (outline as drawn; the poured copper is in the pictures)
GND on Top, Bottom: 324.71,128.57 324.71,-1.28 -0.29,-1.28 -0.29,128.57
